# KiCad board Video Timer.kicad_pcb (continued)
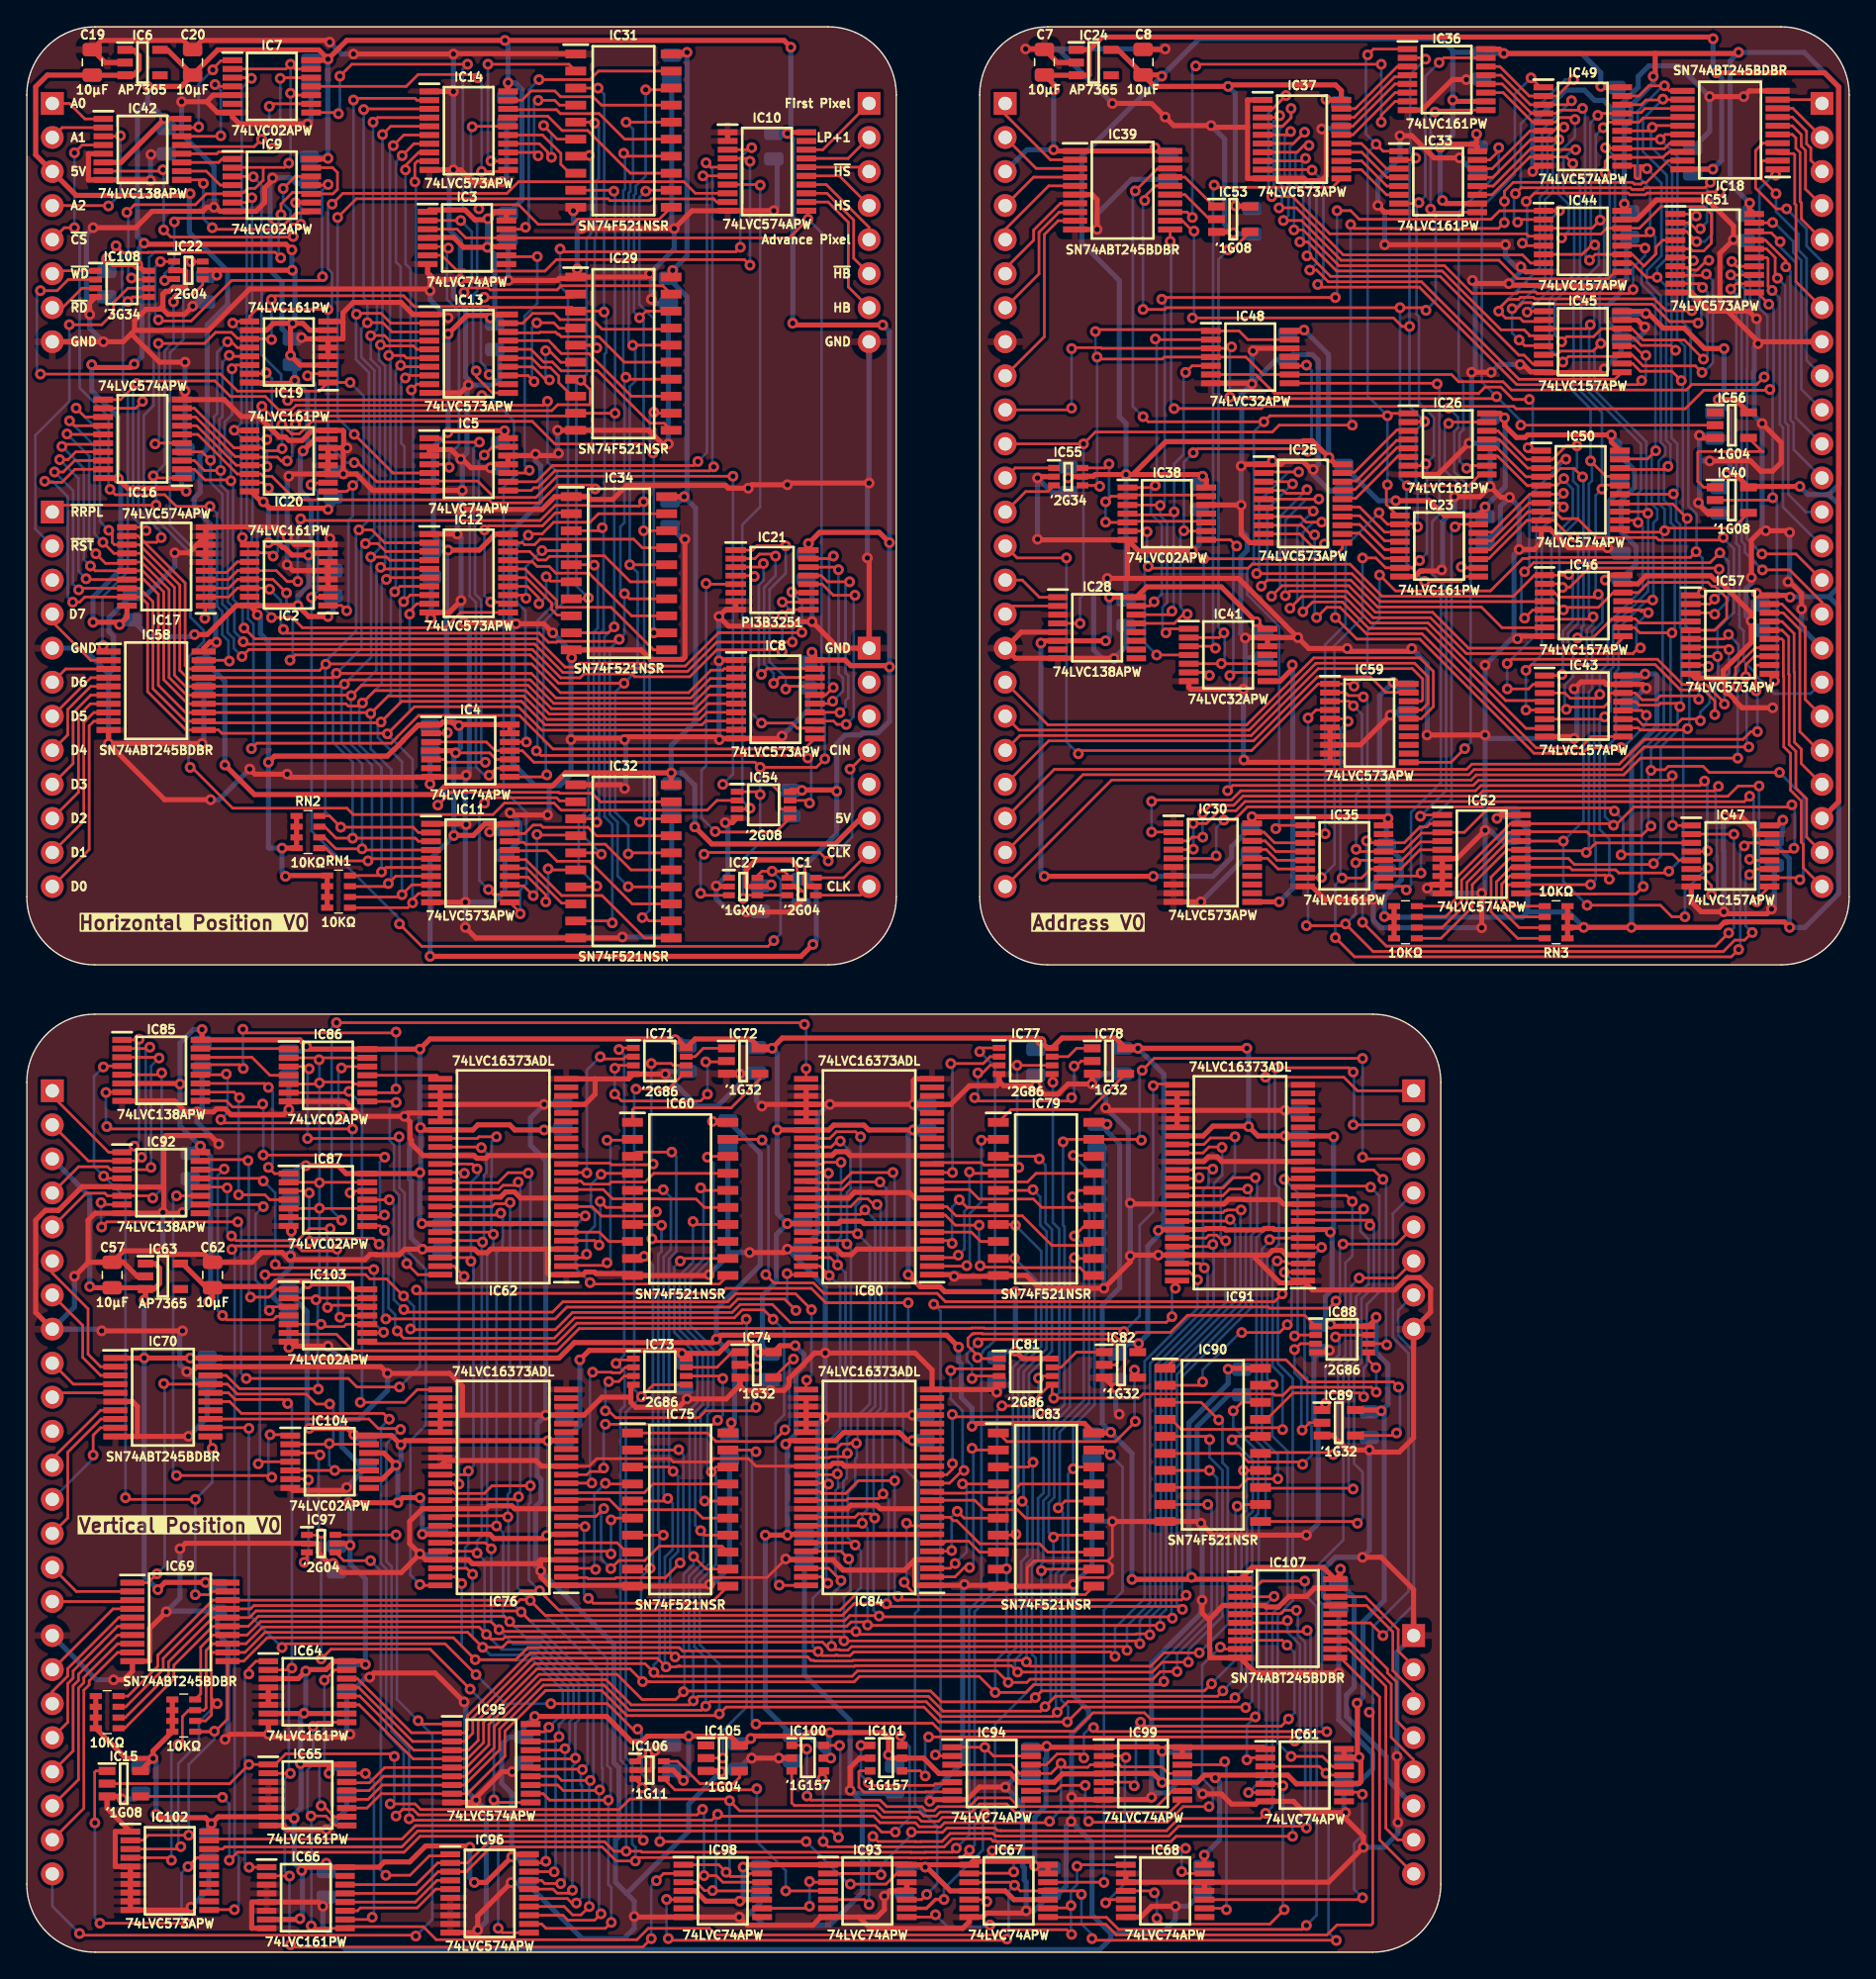
[diagram p0: board, top side]
## Nets (continued)
/Vertical Position/Front Porch Start D3: IC75.8 IC76.6
/Vertical Position/Front Porch Start D4: IC75.11 IC76.8
/Vertical Position/Front Porch Start D5: IC75.13 IC76.9
/Vertical Position/Front Porch Start D6: IC75.15 IC76.11
/Vertical Position/Front Porch Start D7: IC75.17 IC76.12
/Vertical Position/Front Porch Start D8: IC73.2 IC76.13
/Vertical Position/Front Porch Start D9: IC73.6 IC76.14
/Vertical Position/Horizontal Blank: IC94.9 IC107.9
/Vertical Position/Horizontal Blank _{IN}: IC94.12 J12.6
/Vertical Position/Horizontal Blank _{OUT}: IC107.11 J7.8
/Vertical Position/Horizontal Sync: IC94.5 IC101.1
/Vertical Position/Horizontal Sync _{IN}: IC94.2 J12.5
/Vertical Position/Horizontal Sync _{OUT}: IC107.14 J7.4
/Vertical Position/Horizontal Sync _{SEL}: IC101.4 IC107.6
/Vertical Position/Interrupt D0: IC90.2 IC91.2
/Vertical Position/Interrupt D1: IC90.4 IC91.3
/Vertical Position/Interrupt D2: IC90.6 IC91.5
/Vertical Position/Interrupt D3: IC90.8 IC91.6
/Vertical Position/Interrupt D4: IC90.11 IC91.8
/Vertical Position/Interrupt D5: IC90.13 IC91.9
/Vertical Position/Interrupt D6: IC90.15 IC91.11
/Vertical Position/Interrupt D7: IC90.17 IC91.12
/Vertical Position/Interrupt D8: IC88.2 IC91.13
/Vertical Position/Interrupt D9: IC88.6 IC91.14
/Vertical Position/Interrupt Enable: IC15.4 IC106.3
/Vertical Position/Last Pixel + 1: IC70.15 IC98.12
/Vertical Position/Last Pixel + 1 _{HALF CYCLE}: IC93.3 IC98.9
/Vertical Position/Last Pixel + 1 _{IN}: IC70.5 J11.10
/Vertical Position/Last Row + 1: IC61.6 IC107.3
/Vertical Position/Last Row + 1 _{OUT}: IC107.17 J7.3
/Vertical Position/R0: IC60.3 IC64.14 IC75.3 IC79.3 IC83.3 IC90.3 IC95.2
/Vertical Position/R1: IC60.5 IC64.13 IC75.5 IC79.5 IC83.5 IC90.5 IC95.3
/Vertical Position/R2: IC60.7 IC64.12 IC75.7 IC79.7 IC83.7 IC90.7 IC95.4
/Vertical Position/R3: IC60.9 IC64.11 IC75.9 IC79.9 IC83.9 IC90.9 IC95.5
/Vertical Position/R4: IC60.12 IC65.14 IC75.12 IC79.12 IC83.12 IC90.12 IC95.6
/Vertical Position/R5: IC60.14 IC65.13 IC75.14 IC79.14 IC83.14 IC90.14 IC95.7
/Vertical Position/R6: IC60.16 IC65.12 IC75.16 IC79.16 IC83.16 IC90.16 IC95.8
/Vertical Position/R7: IC60.18 IC65.11 IC75.18 IC79.18 IC83.18 IC90.18 IC95.9
/Vertical Position/R8: IC66.14 IC71.1 IC73.1 IC77.1 IC81.1 IC88.1 IC96.2
/Vertical Position/R9: IC66.13 IC71.5 IC73.5 IC77.5 IC81.5 IC88.5 IC96.3
/Vertical Position/R10: IC66.12 IC96.4
/Vertical Position/R11: IC66.11 IC96.5
/Vertical Position/Read Row High: IC97.3 IC104.6
/Vertical Position/Read Row High ~{CS}: IC92.10 IC104.4
/Vertical Position/Read Row Low: IC95.11 IC96.11 IC97.1 IC104.3
/Vertical Position/Read Row Low ~{CS}: IC92.11 IC104.1
/Vertical Position/Reset Disable ~{CS}: IC92.7 IC93.10
/Vertical Position/Sync Start D0: IC60.2 IC62.2
/Vertical Position/Sync Start D1: IC60.4 IC62.3
/Vertical Position/Sync Start D2: IC60.6 IC62.5
/Vertical Position/Sync Start D3: IC60.8 IC62.6
/Vertical Position/Sync Start D4: IC60.11 IC62.8
/Vertical Position/Sync Start D5: IC60.13 IC62.9
/Vertical Position/Sync Start D6: IC60.15 IC62.11
/Vertical Position/Sync Start D7: IC60.17 IC62.12
/Vertical Position/Sync Start D8: IC62.13 IC71.2
/Vertical Position/Sync Start D9: IC62.14 IC71.6
/Vertical Position/TC_{0123}: IC64.15 IC65.10
/Vertical Position/TC_{4567}: IC65.15 IC66.10
/Vertical Position/Vertical Blank: IC99.5 IC107.8
/Vertical Position/Vertical Blank _{OUT}: IC107.12 J7.7
/Vertical Position/Vertical Sync: IC99.9 IC100.1
/Vertical Position/Vertical Sync _{OUT}: IC107.15 J12.7
/Vertical Position/Vertical Sync _{SEL}: IC100.4 IC107.5
/Vertical Position/Write Back Porch End High: IC84.25 IC87.11
/Vertical Position/Write Back Porch End High ~{CS}: IC85.7 IC87.12
/Vertical Position/Write Back Porch End Low: IC84.48 IC87.8
/Vertical Position/Write Back Porch End Low ~{CS}: IC85.9 IC87.9
/Vertical Position/Write Back Porch Start High: IC80.25 IC87.6
/Vertical Position/Write Back Porch Start High ~{CS}: IC85.10 IC87.4
/Vertical Position/Write Back Porch Start Low: IC80.48 IC87.3
/Vertical Position/Write Back Porch Start Low ~{CS}: IC85.11 IC87.1
/Vertical Position/Write Flags: IC102.11 IC103.11
/Vertical Position/Write Flags ~{CS}: IC92.12 IC103.12
/Vertical Position/Write Front Porch Start High: IC76.25 IC86.6
/Vertical Position/Write Front Porch Start High ~{CS}: IC85.14 IC86.4
/Vertical Position/Write Front Porch Start Low: IC76.48 IC86.3
/Vertical Position/Write Front Porch Start Low ~{CS}: IC85.15 IC86.1
/Vertical Position/Write Interrupt High: IC91.25 IC103.6
/Vertical Position/Write Interrupt High ~{CS}: IC92.14 IC103.4
/Vertical Position/Write Interrupt Low: IC91.48 IC103.3
/Vertical Position/Write Interrupt Low ~{CS}: IC92.15 IC103.1
/Vertical Position/Write Sync Start High: IC62.25 IC86.11
/Vertical Position/Write Sync Start High ~{CS}: IC85.12 IC86.12
/Vertical Position/Write Sync Start Low: IC62.48 IC86.8
/Vertical Position/Write Sync Start Low ~{CS}: IC85.13 IC86.9
/Vertical Position/~{Back Porch End}: IC64.9 IC65.9 IC66.9 IC67.9 IC68.1
/Vertical Position/~{Back Porch End} _{CMP}: IC67.12 IC83.19
/Vertical Position/~{Back Porch Start}: IC67.5 IC68.13
/Vertical Position/~{Back Porch Start} _{CMP}: IC67.2 IC79.19 J12.3
/Vertical Position/~{Clear Interrupt}: IC105.4 IC106.6
/Vertical Position/~{Enable}: IC93.8 J12.4
/Vertical Position/~{Front Porch Start}: IC61.5 IC68.4
/Vertical Position/~{Front Porch Start} _{CMP}: IC61.2 IC75.19 J12.1
/Vertical Position/~{Horizontal Sync}: IC94.6 IC101.3
/Vertical Position/~{Interrupt}: IC93.5 IC107.7
/Vertical Position/~{Interrupt} _{CMP}: IC90.19 IC93.2 J12.2
/Vertical Position/~{Interrupt} _{OUT}: IC107.13 J7.5
/Vertical Position/~{Pixel CLK}: IC70.13 IC94.3 IC94.11 IC98.3 IC98.11 IC99.3 IC99.11
/Vertical Position/~{Pixel CLK} _{IN}: IC70.7 J11.12
/Vertical Position/~{RD}: IC69.1 IC70.17 IC104.2 IC104.5 IC104.10 IC104.13
/Vertical Position/~{RD}_{IN}: IC70.3 J11.7
/Vertical Position/~{Read Row High}: IC96.1 IC97.4
/Vertical Position/~{Read Row Low}: IC95.1 IC97.6 J11.24
/Vertical Position/~{Reset _{IN}}: IC70.8 J11.14
/Vertical Position/~{Reset}: IC70.12 IC93.13 IC106.1
/Vertical Position/~{Sync Start}: IC61.9 IC68.10
/Vertical Position/~{Sync Start} _{CMP}: IC60.19 IC61.12
/Vertical Position/~{Vertical Sync}: IC99.8 IC100.3
/Vertical Position/~{WD}: IC70.18 IC86.2 IC86.5 IC86.10 IC86.13 IC87.2 IC87.5 IC87.10 IC87.13 IC103.2 IC103.5 IC103.10 IC103.13
/Vertical Position/~{WD}_{IN}: IC70.2 J11.6
Net-(IC60-~{OE}): IC60.1 IC72.4
Net-(IC68-1Q): IC68.5 IC99.2
Net-(IC68-2Q): IC68.9 IC99.12
Net-(IC71-1Y): IC71.7 IC72.1
Net-(IC71-2Y): IC71.3 IC72.2
Net-(IC73-1Y): IC73.7 IC74.1
Net-(IC73-2Y): IC73.3 IC74.2
Net-(IC74-Y): IC74.4 IC75.1
Net-(IC77-1Y): IC77.7 IC78.1
Net-(IC77-2Y): IC77.3 IC78.2
Net-(IC78-Y): IC78.4 IC79.1
Net-(IC81-1Y): IC81.7 IC82.1
Net-(IC81-2Y): IC81.3 IC82.2
Net-(IC82-Y): IC82.4 IC83.1
Net-(IC88-1Y): IC88.7 IC89.1
Net-(IC88-2Y): IC88.3 IC89.2
Net-(IC89-Y): IC89.4 IC90.1
Net-(IC100-S): IC100.6 IC102.18
Net-(IC101-S): IC101.6 IC102.19
Net-(IC102-Q2): IC15.1 IC102.17
Net-(IC106-Y): IC93.4 IC106.4

Pads without a net: IC2 15; IC3 8; IC4 6; IC6 4; IC7 6; IC10 19; IC21 6; IC24 4; IC27 1; IC28 7 9 10 11 12; IC30 12 13 14 15; IC35 15; IC38 11; IC39 14; IC41 11; IC48 11; IC56 1; IC59 12 13 14 15; IC61 8; IC62 16 17 19 20 22 23; IC63 4; IC66 15; IC67 6; IC68 6 8; IC70 14; IC76 16 17 19 20 22 23; IC80 16 17 19 20 22 23; IC84 16 17 19 20 22 23; IC91 16 17 19 20 22 23; IC92 9; IC93 6; IC94 8; IC98 6 8; IC99 6; IC102 12 13 14 15 16; IC104 8 11; IC105 1; IC107 16; J3 2 3 5; J5 3; J11 11

## Via types
v1: diameter 0.8, hole 0.4, Top to Bottom, 1662 vias

## Routing (per net, layer and track width the routed paths; a pad name or vN(x,y) marks a point on that pad's centre or on a via; arc(x,y) is an arc through that point)
/Address Position/3.3V: length 563.2
  Top w0.38: IC36.16 109.91,141.97 v1(110.24,141.65) 121.54,141.65 ; IC56.5 127.55,115.82 v1(126.24,115.82) ; v1(90.2,130.29) 90.25,130.24 IC53.5 ; IC26.16 109.96,114.8 v1(110.29,114.46) 110.29,113.89 111.18,113 111.83,113 112.03,113.2 v1(118.26,113.2) 118.26,112.66 IC50.20 ; IC45.16 120.68,122.42 v1(120.85,122.24) 121.06,122.24 122.15,121.16 123.7,121.16 125.22,119.63 v1(126.67,119.63) ; IC30.20 91.46,84.69 v1(91.44,84.71) 101.47,84.71 v1(101.6,84.58) 101.6,84.4 101.26,84.06 ; 82.55,110.24 85.01,112.69 95.22,112.69 95.28,112.75 95.94,112.75 v1(97.18,111.51) 97.69,111 ; 82.55,110.24 v1(82.04,110.24) 79.74,110.24 79.62,110.11 78.82,110.11 ; 82.55,110.24 87.66,110.24 87.76,110.14 v1(87.76,110.11) 87.79,110.11 88.03,109.87 IC38.14 ; RN4.8 RN4.7 102.05,77.23 ; RN3.5 RN3.6 RN3.8 ; 102.05,77.23 101.36,77.23 v1(101.33,77.26) ; 102.05,77.23 RN4.5 ; 108.08,134.87 105.72,134.87 v1(105.49,134.65) ; 108.08,134.87 108.2,135 v1(108.2,135.64) ; 108.08,134.87 108.26,134.69 IC33.16 ; IC59.20 102.1,94.62 v1(101.98,94.74) ; 115.01,76.45 v1(116.2,76.45) v1(119.76,76.45) 126.32,76.45 126.69,76.83 126.87,76.83 126.9,76.86 131.16,76.86 v1(131.57,76.45) ; IC48.14 95.26,120.95 v1(95.33,121.02) ; 92.28,98.72 v1(91.76,99.25) 89.15,101.85 83.58,101.85 IC28.16 80.81,101.08 v1(80.8,101.09) ; IC47.16 130.67,84.06 v1(131.06,84.45) ; v1(80.52,97.83) IC28.6 75.86,97.83 v1(75.69,97.66) ; IC44.16 119.23,130.09 v1(119.23,130.43) ; IC49.20 117.54,139.12 v1(117.47,139.19) ; v1(106.43,138.18) 106.53,138.07 IC36.10 ; IC24.5 81.45,141.92 C8.1 ; 121.54,141.65 121.54,140.08 v1(121.39,139.94) ; 121.54,141.65 127.68,141.65 v1(127.76,141.73) ; v1(129.11,101.39) 129.27,101.22 IC57.20 131.47,101.22 v1(131.6,101.09) ; C8.1 84.61,140.05 v1(84.71,139.95) ; C8.1 84.17,139.19 v1(89.66,139.19) 89.77,139.3 97.68,139.3 98.11,138.87 IC37.20 97.01,138.18 v1(96.97,138.22) ; v1(108.84,107.82) 108.84,107.68 108.34,107.18 105.8,107.18 104.7,108.28 v1(102.17,108.28) ; v1(120.78,95.36) 120.66,95.24 IC43.16 ; IC46.16 118.17,102.73 v1(117.81,102.37) ; v1(105.66,130.68) 105.89,130.45 IC33.10 ; v1(126.83,110.25) 127.53,110.25 IC40.5 ; v1(109.73,84.58) 109.99,84.84 IC52.20 ; IC55.5 77.81,110.08 v1(77.72,109.99) ; 128.57,109.35 v1(132.33,109.35) ; 128.92,129.67 128.59,130.01 v1(128.59,130.49) ; v1(75.95,80.26) v1(84.07,80.26)
  Bottom w0.38: v1(118.26,113.2) 118.87,112.58 C15.1 119.99,110.56 119.99,109.26 119,108.27 119,105.92 ; 134.5,101.12 131.64,101.12 v1(131.6,101.09) ; 134.5,101.12 135.22,100.4 135.22,78.96 132.72,76.45 v1(131.57,76.45) 131.54,76.48 131.54,81.59 130.43,82.71 ; 134.5,101.12 135.22,101.85 135.22,108.02 134.5,108.74 ; v1(80.52,97.83) 80.8,98.11 v1(80.8,101.09) 81.83,101.09 ; 98.3,110.87 100.89,108.28 v1(102.17,108.28) ; C54.1 102.32,94.41 v1(101.98,94.74) 100.97,93.73 100.97,88.01 101.6,87.38 v1(101.6,84.58) 101.47,84.45 C11.1 102.59,81.48 102.59,80 101.33,78.74 v1(101.33,77.26) 101.37,77.22 111.63,77.22 112.01,77.6 ; C32.1 v1(110.24,141.65) 116.03,141.65 117.47,140.21 v1(117.47,139.19) 117.56,139.11 C28.1 ; 91.25,130.29 v1(90.2,130.29) 90.2,138.66 v1(89.66,139.19) ; v1(117.81,102.37) 117.89,102.44 C16.1 120.11,103.56 120.11,104.86 119.06,105.92 ; v1(77.72,109.99) C46.1 ; C44.1 v1(108.84,107.82) 110.34,109.32 110.34,114.42 v1(110.29,114.46) 110.28,114.47 C37.1 ; 106.43,141.73 106.43,141.86 105.54,142.75 87.5,142.75 v1(84.71,139.95) 78.74,133.98 78.74,127.51 81.53,124.71 81.53,114.55 82.04,114.05 v1(82.04,110.24) C51.1 ; 106.43,141.73 v1(106.43,138.18) 106.43,135.58 v1(105.49,134.65) 105.49,130.85 v1(105.66,130.68) ; 106.43,141.73 108.5,141.73 ; C9.1 131.06,83.61 v1(131.06,84.45) ; v1(91.44,84.71) 91.44,83.99 ; v1(126.67,119.63) 126.67,116.26 v1(126.24,115.82) ; v1(132.33,109.35) 132.94,108.74 134.5,108.74 ; 91.31,83.86 89.92,82.47 89.92,81.66 88.52,80.26 v1(84.07,80.26) ; v1(75.95,80.26) 75.69,80.52 v1(75.69,97.66) ; C21.1 108.33,135.51 v1(108.2,135.64) ; v1(119.76,76.45) 119.78,76.47 119.78,89.55 121.67,91.44 121.67,95.25 121.56,95.36 v1(120.78,95.36) 120.46,95.04 119.63,95.04 ; 126.24,115.11 v1(126.24,115.82) ; v1(126.24,115.82) 127.1,114.96 127.1,110.52 v1(126.83,110.25) 126.36,109.78 126.36,109.26 ; v1(120.85,122.24) 120.83,122.22 C25.1 ; C26.1 128.27,130.17 v1(128.59,130.49) 127.13,131.95 127.13,141.1 v1(127.76,141.73) 132.66,141.73 135.25,139.13 135.25,109.5 134.5,108.74 ; 97.78,110.92 v1(97.18,111.51) 97.16,111.54 97.16,119.19 v1(95.33,121.02) 94.43,121.02 C27.1 ; 112.01,77.6 112.01,83.74 C10.1 110.15,85.01 v1(109.73,84.58) ; 112.01,77.6 115.06,77.6 v1(116.2,76.45) ; 129.11,100.81 v1(129.11,101.39) ; v1(121.39,139.94) 121.39,139.43 119.73,137.77 119.73,136.69 119.23,136.19 v1(119.23,130.43) ; 97.79,138.22 v1(96.97,138.22) ; v1(87.76,110.11) 87.76,109.77 ; v1(91.76,99.25) 91.76,99.04 C53.1
/Address Position/5V: length 152.4
  Top w0.38: IC39.20 84.45,134.37 v1(84.2,134.62) 83.95,134.37 76.73,134.37 v1(76.64,134.46) ; C7.1 76.71,139.29 v1(76.71,138.94) ; 79.29,141.91 80.26,142.87 125.73,142.87 v1(125.86,142.75) ; 79.29,141.91 79.28,141.92 IC24.1 ; 79.29,141.91 79.29,140.03 79.28,140.02 IC24.3 75.98,140.02 ; J6.22 135.22,85.82 135.22,139.16 134.18,140.21 v1(126.11,140.21) ; v1(125.84,133.02) 125.83,133.01 IC18.20
  Bottom w0.38: v1(84.2,134.62) 84.66,134.16 C12.1 ; J4.3 74.65,134.46 v1(76.64,134.46) 76.64,138.87 v1(76.71,138.94) ; v1(125.86,142.75) 125.86,140.46 v1(126.11,140.21) 126.49,139.83 126.49,133.67 v1(125.84,133.02) 124.68,133.02 C13.1
/Address Position/GND: length 657.1
  Top w0.38: v1(131.57,105.92) 131.44,106.04 129.41,106.04 128.71,105.35 v1(128.71,102.55) ; v1(90.63,110.87) 90.77,111 93.64,111 93.85,111.22 95.25,111.22 95.85,110.62 v1(96.01,110.62) ; IC52.9 104.79,79.64 v1(104.52,79.37) ; IC52.9 IC52.10 ; IC52.9 IC52.8 IC52.7 IC52.6 106.74,81.59 v1(108.84,83.69) ; v1(110.67,108.53) 110.03,108.53 v1(109.22,109.35) 108.46,108.58 v1(106.55,108.58) ; v1(102.49,135.51) 103.38,135.51 105.03,133.86 v1(106.93,133.86) ; v1(100.84,130.3) 101.34,129.8 IC33.8 ; 126.62,94.87 126.47,95.02 125.58,95.02 125.53,95.06 124.5,95.06 IC57.10 ; 126.62,94.87 126.62,95.62 128.7,97.7 v1(128.7,99.31) 128.7,99.9 126.21,102.39 126,102.39 125.98,102.39 125.69,102.68 120.84,102.68 120.24,102.08 IC46.15 ; 126.62,94.87 126.76,94.73 126.76,94.02 126.88,93.9 127.03,93.9 127.49,93.43 127.49,93.37 128.02,92.84 v1(130.31,92.84) ; v1(107.65,112.57) 105.32,110.25 IC26.8 ; v1(75.44,109.98) 75.53,110.08 IC55.2 ; v1(132.46,100.2) 132.46,101.35 131.57,102.23 v1(131.45,102.23) ; 126,107.38 125.41,107.38 124.76,108.03 v1(124.76,108.13) ; v1(94.87,98.07) 95.68,97.26 v1(98.55,97.26) 98.76,97.05 103.16,97.05 v1(103.37,97.26) ; v1(94.87,98.07) 94.86,98.07 90.44,102.49 82.17,102.49 ; v1(94.87,98.07) IC41.13 ; v1(111.46,118.44) 111.7,118.44 112.24,117.9 113.17,117.9 ; v1(105.6,103.12) 105.52,103.05 104.15,103.05 104.14,103.03 103.99,103.03 103.59,102.63 IC23.8 ; v1(117.73,118.11) 117.46,117.84 113.23,117.84 ; v1(117.98,104.77) 118.24,104.77 115.06,104.77 113.67,106.17 IC50.10 113.03,105.16 112.52,104.65 v1(111.38,104.65) ; 88.38,117.05 91.38,117.05 v1(91.44,117) ; IC41.7 86.72,94.38 86.87,94.23 v1(90.81,94.23) ; 126.94,122.43 129.22,120.15 v1(129.22,120) 129.36,120.14 J6.8 ; 126.94,122.43 128.52,122.43 v1(129.1,121.86) ; 126.94,122.43 126.36,122.43 ; v1(108.59,78.99) v1(108.59,76.43) ; IC53.3 89.98,128.34 v1(90.04,128.27) ; IC47.15 128.97,83.41 128.96,83.42 128.96,83.74 127.99,84.71 v1(126.75,84.71) ; v1(115.49,94.25) 116.01,94.77 117.72,94.77 117.9,94.59 120.59,94.59 v1(120.88,94.31) ; 125.62,138.41 v1(125.6,138.43) v1(128.14,138.43) 128.57,138.86 IC18.10 ; v1(84.96,141.99) 84.93,141.95 C8.2 ; v1(109.29,117.86) v1(107.83,117.86) ; v1(75.44,105.41) 75.48,105.36 IC38.7 ; 91.11,136.14 91.11,132.34 91.12,132.33 IC37.10 95.33,132.33 95.5,132.16 96.61,132.16 96.99,132.54 96.99,135.68 v1(96.65,136.02) ; 91.11,136.14 91.11,138.17 91.12,138.18 IC37.1 ; 91.11,136.14 88.52,136.14 v1(88.39,136.27) 85.6,136.27 v1(84.96,136.91) 83.95,137.92 v1(81.03,137.92) ; v1(90.93,98.04) 90.96,98.07 IC41.13 ; IC48.12 91.71,119.65 v1(91.52,119.46) ; v1(111.51,125.73) 111.88,125.36 IC44.8 ; IC59.8 IC59.9 IC59.10 91.02,88.77 v1(90.84,88.94) ; IC59.8 IC59.7 IC59.6 ; IC59.8 99.54,90.07 v1(101.76,92.29) ; IC46.8 111.45,98.18 v1(111.25,97.98) ; v1(110.36,127.38) v1(101.35,127.38) ; IC56.3 125.03,112.97 v1(124.84,113.16) ; v1(129.52,114.04) 130.94,112.62 130.94,111.12 130.3,110.49 129.41,110.49 128.65,111.25 v1(125.6,111.25) ; v1(115.49,90.55) 115.34,90.69 113.28,90.69 ; v1(87,104.52) 83,104.52 IC38.7 ; v1(107.44,139.7) 106.4,139.7 104.13,137.42 IC36.8 ; 78.24,131.12 79.52,131.12 79.88,130.75 v1(79.88,128.52) 78.24,128.52 ; IC38.12 90.62,107.96 v1(90.63,107.95) 90.63,105.81 91.29,105.15 92.31,105.15 ; 126.36,122.43 126.36,126.75 v1(127.38,127.76) 127.38,128.78 125.44,130.72 121.62,130.72 120.16,129.26 IC44.15 ; 126.36,122.43 125.61,122.43 124.22,123.82 IC51.10 ; 82.17,102.49 82.15,102.51 IC38.7 ; 82.17,102.49 v1(80.65,102.49) ; IC47.8 124.23,78.36 124.97,77.62 v1(126.66,77.62) 126.81,77.46 129.86,77.46 v1(130.22,77.82) ; v1(107.9,124.72) 108.13,124.49 v1(110.62,124.49) 110.74,124.36 111.96,124.36 111.98,124.34 112.82,124.34 112.85,124.31 118.83,124.31 v1(118.96,124.44) ; IC45.15 120.21,121.77 120.73,121.25 v1(120.76,121.25) ; v1(74.55,141.99) 75.91,141.99 ; v1(100.49,78.54) 96.89,78.54 95.91,79.51 ; IC28.5 74.22,98.48 J4.17 73.78,96.53 IC28.8 81.14,96.53 v1(81.15,96.52) ; C7.2 76.93,140.97 IC24.2 ; 112.82,133.27 v1(112.39,132.85) ; v1(87.63,78.36) 85.59,78.36 ; IC41.13 IC41.12 ; v1(108.84,90.8) v1(104.51,90.8)
  Bottom w0.38: v1(91.52,119.46) 91.44,119.38 v1(91.44,117) ; 90.93,96.52 90.98,96.57 C53.2 ; 90.93,96.52 v1(90.93,98.04) 90.6,98.37 90.6,104.09 91.09,104.57 91.09,105.59 90.63,106.04 v1(90.63,107.95) v1(90.63,110.87) 90.68,110.91 90.68,116.24 v1(91.44,117) ; 90.93,96.52 90.93,94.36 v1(90.81,94.23) 90.81,88.98 v1(90.84,88.94) ; v1(110.36,127.38) 110.36,126.49 111.12,125.73 v1(111.51,125.73) 111.51,125.38 v1(110.62,124.49) ; v1(92.96,111.25) 95.22,111.25 95.85,110.62 v1(96.01,110.62) ; C17.2 96.7,136.07 v1(96.65,136.02) ; v1(115.49,94.25) 115.7,94.04 115.7,90.76 v1(115.49,90.55) 109.1,90.55 v1(108.84,90.81) ; v1(106.55,108.58) 106.55,107.63 105.66,106.74 105.66,103.19 v1(105.6,103.12) ; v1(108.84,83.69) v1(108.84,90.81) ; v1(108.84,83.69) 108.84,79.25 v1(108.59,78.99) 104.9,78.99 v1(104.52,79.37) ; v1(108.84,83.69) 109.22,83.69 109.81,83.11 C10.2 ; v1(108.84,90.81) v1(108.84,96.01) 110.81,97.98 v1(111.25,97.98) 111,98.24 111,104.27 v1(111.38,104.65) 111.38,107.82 v1(110.67,108.53) 109.98,107.85 109.98,106.35 C44.2 ; C13.2 125.6,135.84 v1(125.6,138.43) 123.31,140.73 121.06,140.73 120.27,139.93 120.27,139.13 118.62,137.48 ; C33.2 90.12,128.19 v1(90.04,128.27) 89.41,128.9 89.41,135.25 v1(88.39,136.27) ; v1(126.75,84.71) 126.62,84.58 126.62,82.19 126.66,82.15 v1(126.66,77.62) ; v1(108.59,76.43) 101.05,76.43 100.49,76.98 v1(100.49,78.54) 100.49,79.71 C11.2 ; C32.2 107.49,139.75 v1(107.44,139.7) ; v1(91.44,117) 93.24,118.79 C27.2 94.5,119.19 95.95,119.19 96.39,118.74 96.39,111 v1(96.01,110.62) ; C9.2 130.43,78.03 v1(130.22,77.82) ; J6.17 132.46,98.81 v1(132.46,100.2) ; v1(81.03,137.92) 76.96,141.99 v1(74.55,141.99) v1(84.96,141.99) ; C50.2 87.5,105.03 v1(87,104.52) ; v1(129.79,106.04) 129.52,106.32 v1(129.52,114.04) 128.93,114.63 128.93,117.08 128.88,117.13 128.88,117.89 128.93,117.94 128.93,119.71 v1(129.22,120) 129.22,121.74 v1(129.1,121.86) ; C18.2 120.8,94.31 v1(120.88,94.31) ; C51.2 82.04,97.41 v1(81.15,96.52) 80.26,96.52 79.63,97.15 79.63,101.47 v1(80.65,102.49) ; v1(96.01,110.62) 96.01,110.24 97.23,109.02 C48.2 ; C12.2 82.47,132.26 79.88,129.67 v1(79.88,128.52) ; 124.84,111.12 124.97,111.25 v1(125.6,111.25) ; 124.84,111.12 124.84,108.2 v1(124.76,108.13) 125.53,107.36 C22.2 ; 124.84,111.12 v1(124.84,113.16) 125.78,113.16 ; v1(111.46,118.44) 109.88,118.44 v1(109.29,117.86) ; v1(131.45,102.23) 131.57,102.36 v1(131.57,105.92) ; C28.2 117.68,138.15 117.02,138.15 116.26,138.91 114.86,138.91 112.39,136.44 v1(112.39,132.85) ; C54.2 101.98,92.51 v1(101.76,92.29) ; v1(101.35,127.38) 101.35,129.79 v1(100.84,130.3) 100.84,132.21 102.49,133.86 v1(102.49,135.51) ; v1(75.44,105.41) v1(75.44,109.98) 76.53,108.89 C46.2 ; 108.03,132.76 v1(106.93,133.86) ; v1(103.37,97.26) 104.52,96.11 104.52,90.82 v1(104.51,90.8) ; v1(120.76,121.25) 120.76,120.89 120.19,120.32 C25.2 119,119.38 v1(117.73,118.11) ; v1(128.71,102.55) 128.71,102.13 128.32,101.73 128.32,101.04 128.3,101.02 128.3,99.99 128.32,99.97 128.32,99.7 v1(128.7,99.31) C14.2 ; 128.19,127.76 v1(127.38,127.76) ; 119.4,127.7 119.4,124.88 v1(118.96,124.44) 118.96,123.81 117.88,122.73 117.88,121.7 119,120.59 ; v1(109.22,109.35) C37.2 v1(107.65,112.57) 107.83,112.76 v1(107.83,117.86) 108.1,118.14 108.1,124.51 v1(107.9,124.72) ; 91.24,81.96 v1(87.63,78.36) ; C16.2 118.41,104.34 v1(117.98,104.77) 117.98,108.14 118.87,109.02 C15.2
/Horizontal Position/3.3V: length 545.9
  Top w0.2: IC4.10 35.04,88.98 34.55,89.47 v1(32.01,89.47)
  Top w0.38: v1(12.52,98.3) 13.46,98.3 15.63,100.47 IC2.16 17.21,99.9 v1(17.21,99.77) ; v1(8.76,127.5) 8.84,127.41 19.34,127.41 19.76,127 v1(19.78,127) ; v1(18.03,105.15) 18.75,105.15 19.11,104.79 19.23,104.79 19.79,104.23 v1(21.02,104.23) 21.16,104.37 IC2.7 ; 8.85,125.43 8.73,125.43 v1(8.27,125.89) 6.44,125.89 v1(5.97,126.36) ; v1(58.6,96.98) 58.82,96.76 IC8.20 61.08,96.4 61.5,95.98 64.29,95.98 v1(64.39,95.88) ; IC9.14 22.43,133.78 v1(22.48,133.83) ; v1(30.1,74.29) 57.79,74.29 v1(58.67,75.18) ; v1(56.77,135.68) 56.94,135.68 57.02,135.76 58.18,135.76 ; RN1.8 RN1.7 RN1.6 RN1.5 19.36,80.32 v1(19.3,80.26) ; IC7.14 22.4,141.14 v1(22.48,141.22) ; IC16.20 6.77,109.98 v1(6.83,109.92) 7.53,109.22 11.66,109.22 v1(11.89,108.99) ; v1(18.03,88.77) 18.49,89.23 26.9,89.23 27.38,89.7 27.4,89.7 28.1,90.4 28.1,90.43 29.22,91.54 29.34,91.54 29.34,91.55 30.14,91.55 ; v1(57.17,121.52) 57.3,121.39 v1(63.88,121.39) ; v1(57.02,142.11) 56.51,142.62 v1(35.69,142.62) 23.88,142.62 v1(22.48,141.22) ; IC20.7 21.5,112.88 v1(20.62,111.99) ; 35.79,127.24 34.43,127.24 v1(34.38,127.19) 32.59,127.19 31.87,127.92 29.95,127.92 ; IC4.13 IC4.14 32.32,91.58 v1(32.24,91.51) 32.17,91.51 31.99,91.69 31.8,91.69 31.71,91.77 31.06,91.77 30.87,91.58 IC4.1 ; IC19.10 17.9,121 18.41,121.51 v1(19.84,121.51) ; v1(31.45,120.72) 32.83,122.1 34.41,122.1 v1(34.6,121.92) 34.81,122.13 35.04,122.13 35.09,122.18 IC13.20 ; v1(19.05,82.37) RN2.8 RN2.7 RN2.6 RN2.5 ; IC6.5 10.49,141.92 C20.1 ; 11.55,136.78 v1(10.29,136.78) 7.03,133.52 IC42.6 ; v1(22.48,141.22) 21.79,141.91 14.25,141.91 C20.1 ; C20.1 11.53,139.19 v1(9.02,139.19) ; 16.64,100.46 v1(20.23,100.46) 21.04,99.64 v1(22.48,99.64) ; IC4.4 31.85,89.63 v1(32.01,89.47) ; v1(8.02,118.47) 7.76,118.22 5.05,118.22 v1(4.84,118.43) ; IC22.5 14.1,125.48 ; 14.1,125.48 v1(19.81,125.48) ; 14.1,125.48 14.18,125.39 v1(14.18,125.11) ; IC21.16 v1(58.34,105.09) 59.17,105.92 63.63,105.92 v1(64.39,105.16) ; 35.79,129.19 35.79,129.84 34.93,129.84 v1(34.41,129.32) 34.34,129.25 33.44,129.25 32.71,129.97 30.05,129.97 IC3.1 ; 16.66,117.08 17.5,117.08 17.54,117.04 19.78,117.04 v1(20,117.26) ; v1(19.84,121.51) 20.61,121.51 21.11,121 IC19.7 ; v1(19.84,121.51) 19.69,121.36 v1(19.69,119.13) 20.41,118.4 IC19.3 ; v1(34.54,83.57) 35.15,84.18 IC11.20 34.18,84.18 33.32,83.31 v1(31.88,83.31) ; v1(55.56,79.63) 55.43,79.5 IC27.5 53.71,79.5 53.7,79.51 53.7,80.77 54.42,81.49 57.07,81.49 v1(57.79,80.77) 58.07,80.49 58.07,79.73 58.29,79.5 IC1.5 ; IC14.20 v1(35.92,139.47) ; v1(31.45,104.6) 33.76,104.6 34.96,105.79 IC12.20 ; 56.97,86.57 57.07,86.67 v1(57.85,86.67) 57.88,86.71 60.36,86.71 v1(60.45,86.61) ; v1(22.48,107.63) 22.39,107.72 18.13,107.72 v1(17.65,108.2) 17.54,108.32 17.4,108.32 16.74,108.98 ; IC17.20 7.48,99.6 v1(6.92,99.04) 6.75,99.22 v1(4.94,99.22) ; v1(31.42,113.36) 31.56,113.5 v1(35.66,113.5) 35.66,113.21 IC5.14
  Bottom w0.2: v1(58.34,105.09) 58.17,104.92 C1.1
  Bottom w0.38: v1(58.67,75.18) 58.93,75.44 58.93,79.33 58.21,80.05 ; C31.1 35.81,139.36 v1(35.92,139.47) ; v1(19.78,127) 19.78,125.51 v1(19.81,125.48) 20.01,125.28 20.01,121.68 v1(19.84,121.51) ; v1(32.24,91.51) 31.32,92.42 31.32,104.47 v1(31.45,104.6) ; v1(32.24,91.51) 32.12,91.63 31.86,91.63 31.71,91.77 31.06,91.77 30.91,91.63 30.24,91.63 ; v1(32.24,91.51) 32.37,91.38 32.37,89.83 v1(32.01,89.47) 31.88,89.34 v1(31.88,83.31) 30.1,81.53 30.1,74.3 v1(30.1,74.29) ; v1(8.02,118.47) 8.6,119.06 8.6,125.56 v1(8.27,125.89) 8.4,126.01 8.4,127.14 v1(8.76,127.5) 8.25,128 8.25,137.29 9.02,138.05 ; v1(6.92,99.04) 7.27,99.4 C35.1 9.12,98.15 12.37,98.15 v1(12.52,98.3) ; C42.1 10.41,136.65 v1(10.29,136.78) 9.02,138.05 ; 35.48,112.74 35.48,113.33 v1(35.66,113.5) ; v1(19.3,80.26) 19.05,80.52 v1(19.05,82.37) 18.09,82.37 18.03,82.42 v1(18.03,88.77) 18.03,97.77 17.44,98.36 17.44,99.54 v1(17.21,99.77) ; 9.02,138.05 v1(9.02,139.19) ; C2.1 14.09,125.01 v1(14.18,125.11) ; v1(35.92,139.47) 36.43,139.47 36.96,138.94 36.96,130.73 C43.1 34.8,129.71 v1(34.41,129.32) 34.38,129.29 v1(34.38,127.19) 34.93,126.64 34.93,122.25 v1(34.6,121.92) 34.92,121.59 ; v1(35.92,139.47) 35.92,142.39 v1(35.69,142.62) ; C55.1 55.48,79.55 v1(55.56,79.63) ; v1(63.88,121.39) 64.39,120.88 v1(64.39,105.16) v1(64.39,95.88) 64.39,91.82 63.53,90.96 62.39,90.96 62.23,90.8 61.09,90.8 60.45,90.17 v1(60.45,86.61) 60.45,83.44 v1(57.79,80.77) C39.1 ; v1(57.17,121.52) 57.17,135.28 v1(56.77,135.68) ; v1(22.48,99.64) 22.86,100.02 C34.1 ; v1(58.6,96.98) 58.6,96.54 ; v1(31.45,104.6) 31.36,104.52 C49.1 ; v1(31.45,104.6) 30.35,105.69 30.35,112.3 v1(31.42,113.36) 31.45,113.39 v1(31.45,120.72) ; v1(56.77,135.68) 56.94,135.68 57.02,135.76 v1(57.02,142.11) ; v1(56.77,135.68) C30.1 ; v1(19.69,119.13) 20,118.81 v1(20,117.26) 20.95,116.3 20.95,112.33 v1(20.62,111.99) 20.42,111.79 20.42,108.99 21.23,108.18 21.23,104.44 v1(21.02,104.23) 21.04,104.21 21.04,101.96 20.23,101.15 v1(20.23,100.46) ; C41.1 34.72,83.74 v1(34.54,83.57) ; C45.1 22.4,133.9 v1(22.48,133.83) 22.47,133.84 22.47,141.21 v1(22.48,141.22) 21.29,141.22 ; v1(4.94,99.22) 4.94,101.08 7.01,103.15 7.01,109.74 v1(6.83,109.92) 6.8,109.95 6.8,114.54 4.84,116.5 v1(4.84,118.43) ; 11.56,109.94 11.56,109.32 v1(11.89,108.99) ; v1(17.65,108.2) 18.03,107.82 v1(18.03,105.15) ; 5.71,125.65 5.71,126.24 5.84,126.36 v1(5.97,126.36) ; C4.1 22.86,108.01 v1(22.48,107.63)
/Horizontal Position/5V: length 192.4
  Top w0.38: IC31.20 49.15,141.6 v1(49.28,141.73) ; 62.23,84.58 60.32,82.68 51.12,82.68 v1(49.85,83.95) ; IC58.20 13.2,97.28 13.66,97.73 v1(14.15,97.73) ; v1(14.78,88.57) 16.99,86.36 30.58,86.36 31.19,86.96 31.38,86.96 31.43,87.01 39.24,87.01 40.2,87.98 v1(48.1,87.98) IC32.20 ; 4.9,140.02 IC6.3 7.94,140.02 8.38,140.46 8.38,141.48 7.94,141.92 IC6.1 ; v1(48.21,125.47) 48.09,125.35 IC29.20 ; C19.1 1.54,140.04 0.66,139.16 0.66,134.08 J1.3 3.68,131.06 12.07,131.06 v1(12.19,131.19) ; IC34.20 v1(49.06,108.58)
  Bottom w0.38: 13.42,96.18 14.78,94.82 v1(14.78,88.57) ; 48.89,141.48 49.15,141.73 v1(49.28,141.73) 49.28,141.73 49.28,126.54 v1(48.21,125.47) 47.88,125.14 ; v1(48.1,87.98) 48.1,90.01 49.91,91.82 49.91,107.73 v1(49.06,108.58) ; v1(48.1,87.98) 48.92,87.98 49.85,87.05 v1(49.85,83.95) ; v1(48.1,87.98) 48.13,87.95 C61.1 ; v1(12.19,131.19) 12.13,131.13 12.13,128.28 14.99,125.42 14.99,122.94 13.46,121.41 13.46,112.16 12.92,111.62 12.92,110.97 12.94,110.95 12.94,108.91 12.5,108.48 12.5,107.74 13.71,106.53 13.71,100.21 14.1,99.82 14.1,97.79 v1(14.15,97.73) 14.15,97.51 13.01,96.38 ; v1(49.06,108.58) 49.28,108.8 49.28,123.49 C60.1 ; v1(49.06,108.58) 48.72,108.25 C58.1
/Horizontal Position/GND: length 760
  Top w0.38: 30.14,87.65 19.67,87.65 v1(19.43,87.88) 17.02,87.88 v1(16.64,88.26) ; v1(19.43,103.51) 19.87,103.07 IC2.5 ; v1(62.87,109.6) 56.9,109.6 v1(56.77,109.47) 54.1,109.47 v1(53.85,109.22) 52.35,109.22 52.14,109.43 44.79,109.43 43.73,108.38 42.1,108.38 41.89,108.58 IC34.1 39.41,108.58 38.45,107.63 32.45,107.63 v1(32.43,107.65) ; v1(32.64,99.19) 36.42,99.19 v1(36.51,99.1) 38.58,99.1 v1(39.26,98.42) ; 30.1,125.09 30.4,124.79 v1(32.36,124.79) 32.44,124.71 v1(35.94,124.71) 39.59,124.71 39.73,124.86 40.86,124.86 ; 30.1,125.09 v1(30.1,123.95) 29.97,124.08 16.64,124.08 13.56,121 10.16,121 10.15,120.99 8.04,120.99 ; 30.1,125.09 29.92,125.28 29.92,125.94 ; v1(32.73,78.33) 32.73,78.33 IC11.10 ; 7.79,120.73 9.91,118.62 v1(11.81,118.62) ; 7.79,120.73 7.2,120.14 v1(5.71,120.14) J1.8 ; 7.79,120.73 8.04,120.99 ; IC5.3 IC5.2 30.25,112.09 31.67,112.09 v1(32.38,111.38) 32.51,111.38 33.15,110.74 v1(34.6,110.74) 34.86,111 IC5.11 IC5.12 37.86,111.65 v1(37.97,111.76) 38.09,111.65 39.52,111.65 v1(39.68,111.81) ; 23.62,110.28 24.59,110.28 25.82,109.05 32.5,109.05 v1(32.5,109.05) ; 23.62,110.28 23.62,111.94 v1(23.9,112.22) ; 23.62,110.28 IC20.3 ; v1(40.79,129.91) 40.89,130.02 40.89,130.1 ; IC19.4 IC19.5 IC19.6 ; 23.59,121.65 23.6,121.64 23.6,120.37 23.58,120.35 IC19.6 ; 23.59,121.65 IC19.8 ; 23.59,121.65 23.59,122.29 24.38,123.08 27.92,123.08 28.82,122.18 IC13.1 31.2,122.18 v1(31.45,121.93) ; 8.04,120.99 8.04,121.71 8.9,122.57 10.15,122.57 10.54,122.18 11.77,122.18 v1(12.38,122.8) ; v1(49.12,105.41) 49.12,96.61 48.95,96.44 46.56,96.44 45.85,97.15 IC34.10 40.63,96.6 v1(40.67,96.57) ; v1(22.63,105.45) 22.48,105.31 IC2.8 19.99,105.02 v1(19.43,105.58) 18.68,106.33 13.38,106.33 ; v1(32.79,87.8) 32.67,87.68 IC4.7 30.17,87.23 v1(30.1,87.15) ; v1(19.56,110.11) 19.73,110.28 IC20.3 ; IC13.10 32.37,116.33 v1(32.96,116.92) ; IC19.6 20.61,120.35 v1(20.51,120.46) ; v1(55.75,129.92) 52.31,129.92 ; v1(47.88,112.52) 47.44,112.52 46.42,113.54 IC29.10 v1(39.62,113.54) ; v1(11.05,104.39) 12.09,104.39 13.35,105.65 ; v1(23.9,112.22) 23.65,112.47 23.65,113.46 23.59,113.53 IC20.8 21.29,113.53 20.54,112.78 19.56,112.78 19.31,113.03 18.85,113.03 17.31,114.57 16,114.57 14.74,115.83 IC16.10 11.81,116.06 v1(11.81,116.46) ; v1(23.9,112.22) 23.89,112.23 IC20.6 IC20.5 IC20.4 IC20.3 ; v1(32.73,76.45) 33.52,75.66 IC32.10 44.37,75.66 v1(44.45,75.74) ; IC27.2 51.5,79.5 v1(51.46,79.54) ; IC6.2 5.85,140.97 C19.2 5.57,142.62 11.69,142.62 C20.2 13.06,142.62 22.48,142.62 v1(22.61,142.49) ; v1(6.1,90.17) v1(13.08,90.17) ; v1(6.1,90.17) 6.1,91.18 ; v1(6.1,90.17) 10.29,85.98 v1(13.72,85.98) ; 13.43,138.05 13.92,138.54 15.35,138.54 ; 13.43,138.05 v1(11.56,138.05) ; 13.43,138.05 14.23,137.24 15.35,137.24 15.35,136.92 15.88,136.4 v1(20.95,136.4) ; IC12.1 32.13,105.79 v1(32.13,105.79) ; IC21.7 IC21.8 52.16,100.15 v1(51.66,99.65) 52.38,98.93 57.2,98.93 57.53,99.26 v1(58.61,99.26) 60.59,97.28 J3.1 62.87,103.89 v1(62.74,104.01) ; IC2.3 IC2.4 IC2.5 ; 13.35,105.65 13.35,103.7 ; 13.35,105.65 13.35,106.3 ; IC11.1 32.74,84.18 v1(32.79,84.12) ; IC42.5 4.61,134.17 4.6,134.16 4.6,132.23 4.61,132.22 IC42.8 9.19,132.22 v1(9.24,132.17) ; v1(52.13,84.26) 52.66,84.26 IC54.4 ; 9.91,122.57 10.16,122.82 10.16,123.7 10.37,123.91 10.64,123.91 10.94,124.21 11.83,124.21 11.83,125.44 11.46,125.44 11.43,125.48 ; v1(30.15,99.51) 30.05,99.61 IC12.10 31.52,99.94 v1(32.41,100.84) ; v1(56.36,90.73) 56.18,90.55 IC8.10 51.77,90.55 v1(51.69,90.46) 51.48,90.67 44.83,90.67 v1(44.62,90.46) 44.51,90.57 40.72,90.57 v1(40.61,90.46) ; v1(35.43,132.08) 35.41,132.05 33.3,132.05 32.38,132.97 v1(31.84,132.97) 30.05,132.97 ; IC108.4 4.7,123.05 v1(4.7,122.17) ; IC10.10 49.65,129.92 v1(48.32,128.59) v1(41.4,128.59) ; IC2.5 IC2.6 ; v1(36.07,85) 36.23,84.84 v1(38.86,84.84) ; 52.93,96.41 51.73,96.41 v1(51.67,96.34) ; IC32.1 44.34,87.09 v1(44.62,86.82) ; v1(31.84,138.81) 30.05,138.81 ; IC1.2 57.4,79.5 57.79,79.12 57.79,78.43 56.96,77.6 v1(53.72,77.6) ; v1(4.95,128.65) 8.13,128.65 9.35,129.88 13.13,129.88 13.43,130.18 v1(13.97,130.18) 14.13,130.18 14.43,129.88 17.1,129.88 17.75,130.53 17.75,131.61 18.34,132.2 v1(18.34,132.36) ; v1(41.08,125.57) 40.97,125.46 IC29.1 46.23,124.97 v1(46.48,125.22) ; v1(24.38,141.6) v1(31.84,141.6) 31.87,141.63 40.94,141.63 ; IC10.2 52.31,135.77